# Altium PCB mchf_pro_ui.PcbDoc (part 1 of 5) (continued)
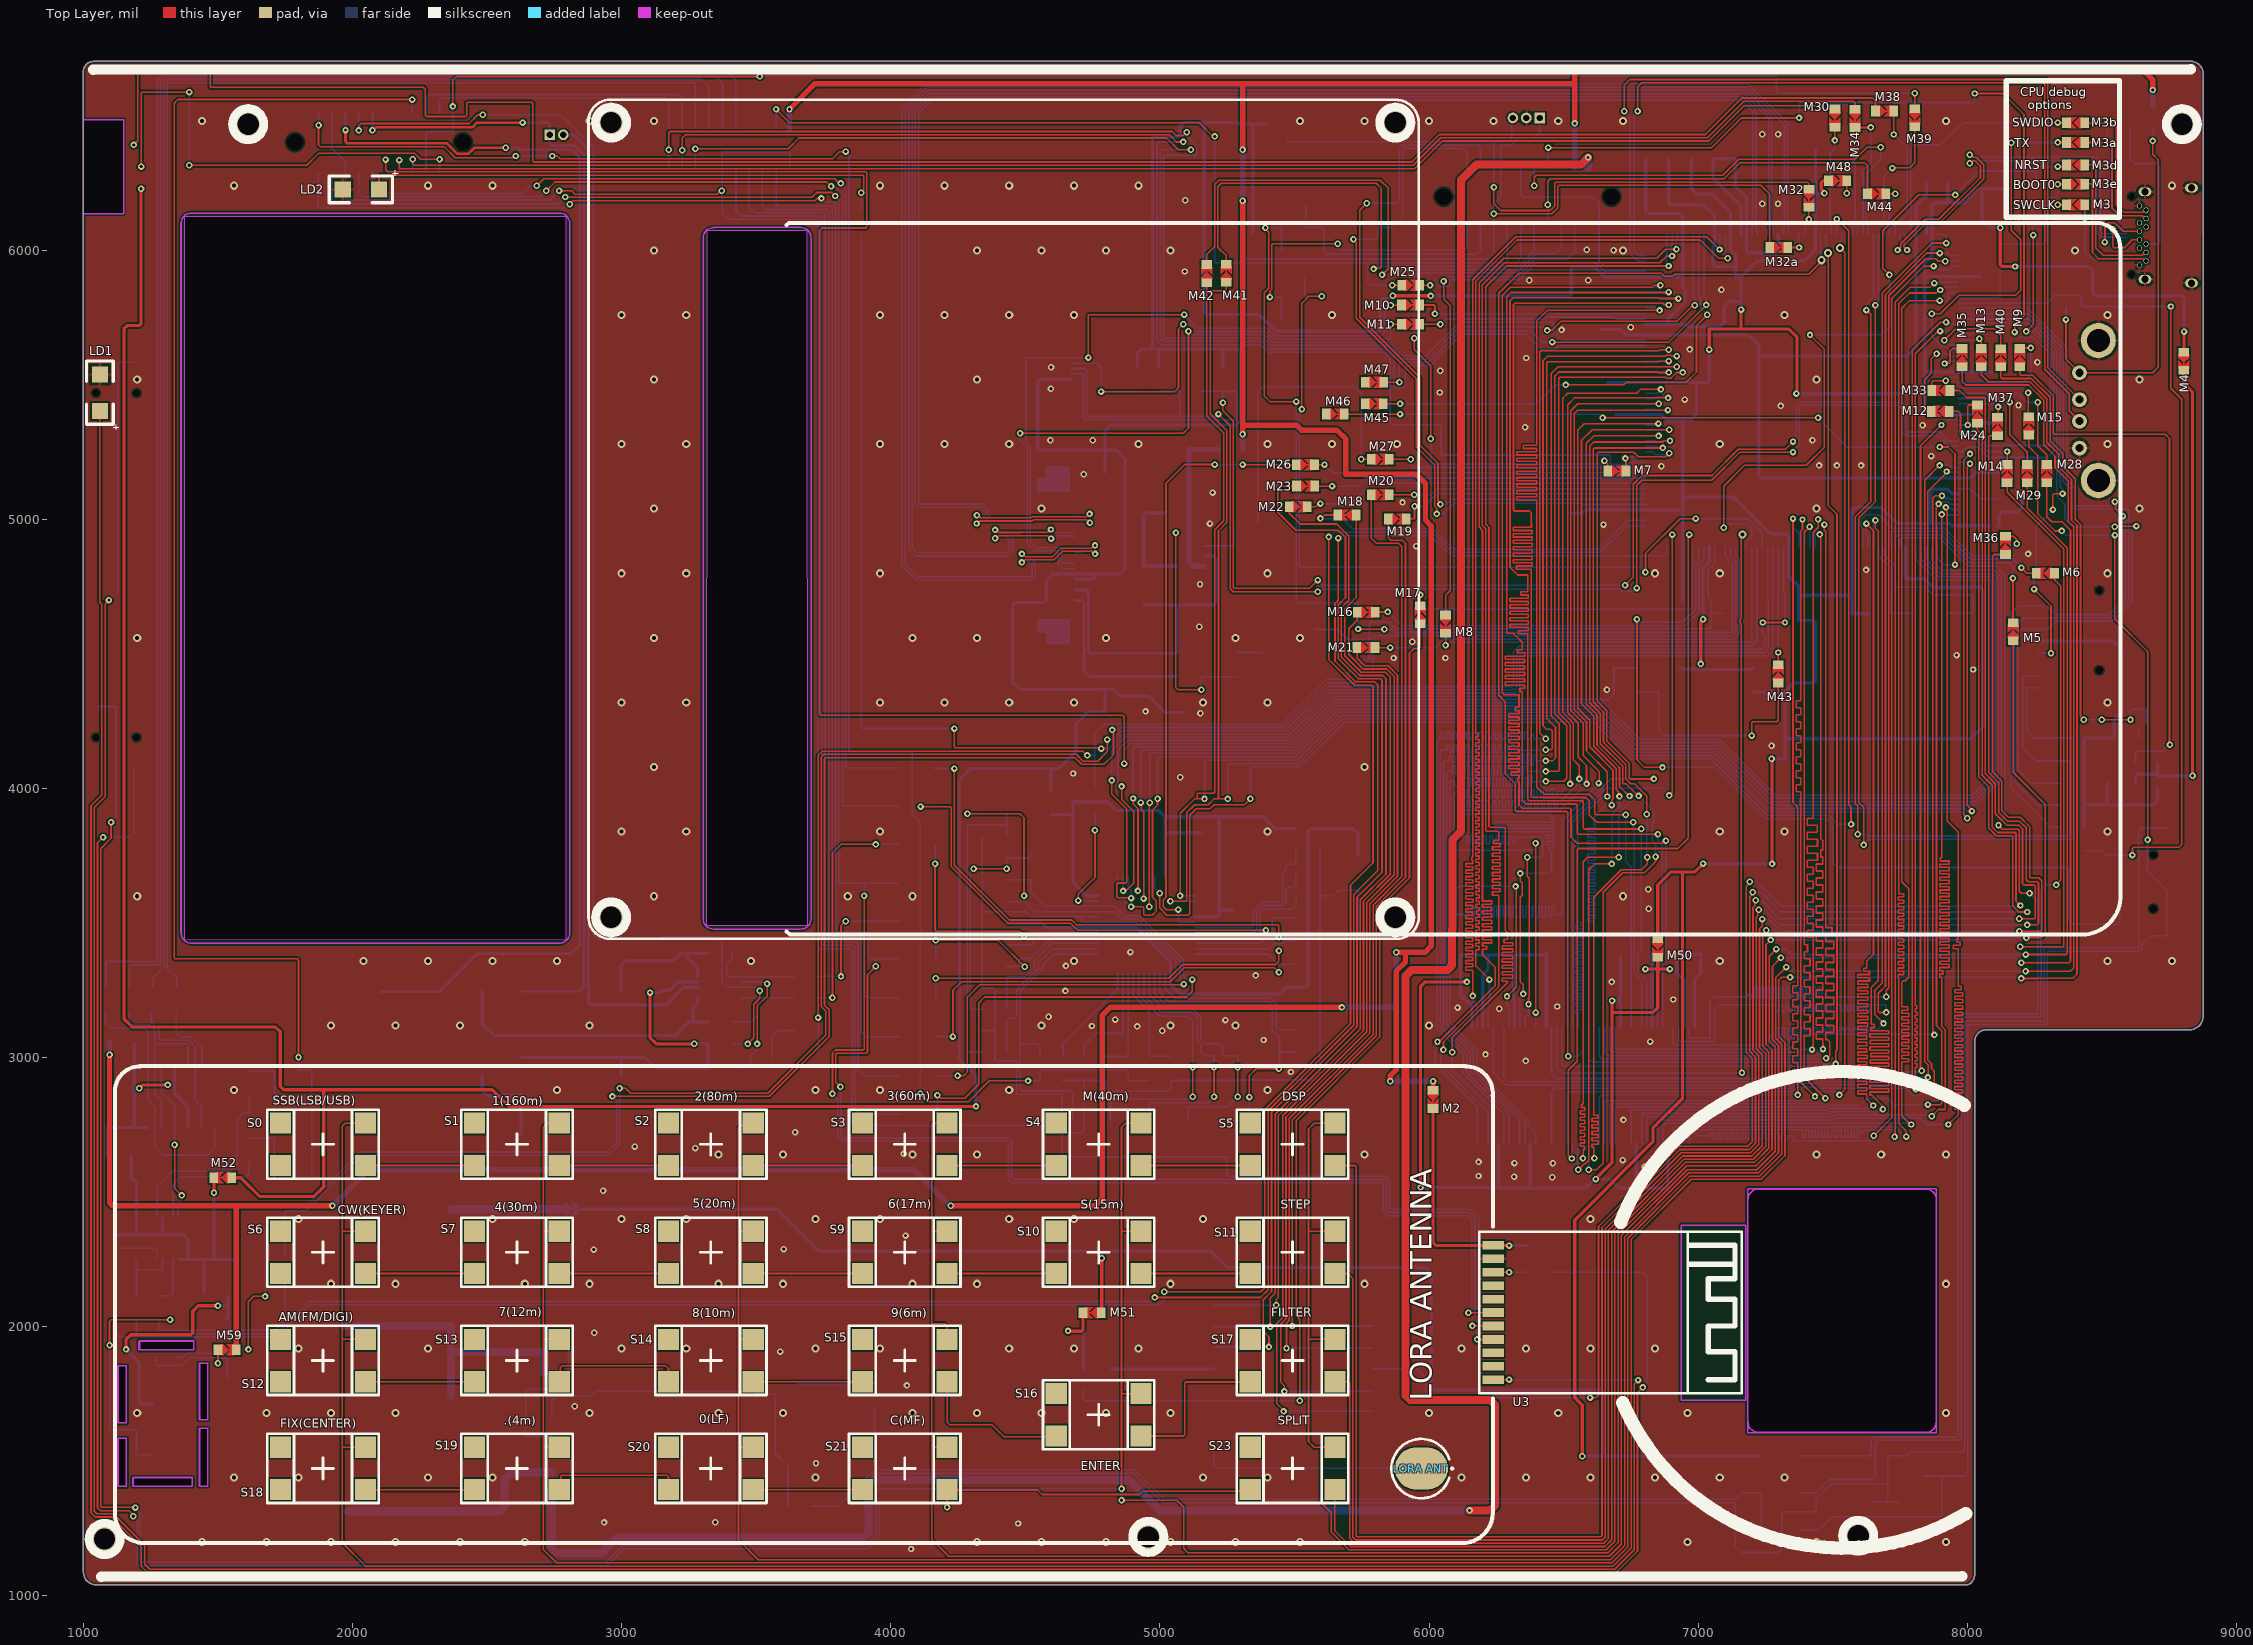
[diagram p0: Top Layer view]
## Components (designator, comment, footprint, x,y, rotation, side; value= is the part's Value field where it differs from the comment) (continued)
CC27a "1nF" 0805 4341.03,3180.69 r0 bottom
CC28 "1nF" 0805 4340.23,3339.22 r0 bottom
CC29 "1nF" 0805 4341.03,3420.57 r0 bottom
CC30 "100nF" 0805 4341.03,3499.42 r0 bottom
CC33 "1nF" 0805 4431.99,3579.56 r180 bottom
CC34 "1nF" 0805 4431.89,3661.11 r180 bottom
CC36 "100nF" 0805 4677.16,3904.63 r90 bottom
CC46 "100nF" 0805 5019.37,3835.5 r180 bottom
Cp7 "100nF" 0805 7769.65,4779.42 r180 bottom (schematic designator CP7)
Cp17 "100nF" 0805 7633,4650.76 r270 bottom (schematic designator CP17)
Cp29 "100nF" 0805 7373.92,4624.95 r270 bottom (schematic designator CP29)
CP43 "100nF" 0805 7095.05,4742.5 r270 bottom value=10nF
CP43E "1uF" 1206_Elec_Cap 5573.91,4592.05 r270 bottom value=10uF
Cp44 "100nF" 0805 6937.23,4448.69 r270 bottom (schematic designator CP44)
CP44E "1uF" 1206_Elec_Cap 7082.07,4443.48 r270 bottom
Cp49 "100nF" 0805 6942.83,4697.09 r180 bottom (schematic designator CP49)
Cp56 "100nF" 0805 6529.52,5022.78 r180 bottom (schematic designator CP56)
Cp74 "100nF" 0805 6691.63,5390.33 r270 bottom (schematic designator CP74)
Cp80 "100nF" 0805 6662.4,5508.73 r90 bottom (schematic designator CP80)
CP89 "2.2uF" 0805 6544.61,5705.51 r0 bottom value=100nF
Cp100 "100nF" 0805 6529.52,5885.07 r180 bottom (schematic designator CP100)
Cp108 "100nF" 0805 6804.86,6337.33 r90 bottom (schematic designator CP108)
Cp114 "100nF" 0805 6890.3,6337.33 r90 bottom (schematic designator CP114)
Cp117 "100nF" 0805 6973.61,6337.33 r90 bottom (schematic designator CP117)
CP119 "100nF" 0805 7137.06,6339.04 r90 bottom
CP119E "2.2uF" 0805 7055.18,6338.18 r90 bottom value=100nF
Cp133 "100nF" 0805 7434.23,6377.45 r90 bottom (schematic designator CP133)
CP140 "2.2uF" 0805 7576.86,6377.45 r90 bottom value=1礔
CP152 "2.2uF" 0805 7848.17,6341.81 r270 bottom value=100nF
Cp155 "100nF" 0805 7927.41,6250.85 r90 bottom (schematic designator CP155)
Cp161 "100nF" 0805 8047.88,5901.38 r90 bottom (schematic designator CP161)
Cp179 "100nF" 0805 8091.76,5546.96 r90 bottom (schematic designator CP179)
Cp187 "100nF" 0805 8079.85,5361.44 r0 bottom (schematic designator CP187)
CP199 "2.2uF" 0805 8206.51,5173.8 r180 bottom value=10nF
Cp208 "100nF" 0805 8112.16,4976.95 r0 bottom (schematic designator CP208)
Cr1 "100nF" 0805 6116.08,3383.07 r90 bottom (schematic designator CR1)
Cr3 "100nF" 0805 6218.75,3381.64 r90 bottom (schematic designator CR3)
Cr9 "100nF" 0805 6318.3,3379.93 r90 bottom (schematic designator CR9)
Cr15 "100nF" 0805 6435.28,3380.78 r90 bottom (schematic designator CR15)
Cr29 "100nF" 0805 6710.87,3383.07 r90 bottom (schematic designator CR29)
Cr35 "100nF" 0805 6828.97,3383.07 r90 bottom (schematic designator CR35)
Cr41 "100nF" 0805 6921.3,3383.93 r90 bottom (schematic designator CR41)
Cr43 "100nF" 0805 7009.3,3382.49 r90 bottom (schematic designator CR43)
Cr49 "100nF" 0805 6890.83,2516.09 r270 bottom (schematic designator CR49)
Cr55 "100nF" 0805 6772.12,2516.09 r270 bottom (schematic designator CR55)
Cr75 "100nF" 0805 6376.23,2516.09 r270 bottom (schematic designator CR75)
Cr81 "100nF" 0805 6260.84,2516.09 r270 bottom (schematic designator CR81)
D1 "4.7V" 0805P 6853.33,4448.69 r270 bottom
D2 "4.7V" 0805P 5447.83,5909.18 r0 bottom
D3 "4.7V" 0805P 5541.64,5998.79 r180 bottom
D4 "BAV99" SOT-23 5307.09,6024.96 r0 bottom
D5 "BAV99" SOT-23 5436.02,6431.1 r90 bottom
D6 "PMEG6010CEH" SOD87 7229.85,1519.91 r0 bottom
D7 "PMEG6010CEH" SOD87 7705.19,1520.44 r180 bottom
D8 "SS34" DO214 1981.08,1561.65 r270 bottom locked
D9 "PMEG6010CEH" SOD87 7379.4,1244.85 r180 bottom
D10 "PMEG6010CEH" SOD87 7379.4,1382.65 r180 bottom
D11 "PMEG6010CEH" SOD87 4939.05,4826.97 r270 bottom
J1UI "1373866" 1373866 6366.04,6199.06 r180 bottom locked
J2UI "1373866" YuanQi4mm 3398.82,6376.97 r180 bottom locked
J3UI "1373866" 1373866 2098.03,6401.57 r0 bottom locked
J4 "219320-0001" USBC_24P 8610.86,6054.92 r270 bottom locked
J5 "USB_OUT" USB_OUT_A 8897.64,5144.09 r180 bottom locked
J6 "PJS008-2003" PJS008-2003-1 8875.98,4578.74 r0 bottom locked
J7 "LCD-20pin FPC" MOLX-52746-2071 4647.68,4866.14 r90 bottom locked
J8 "FH19C-6S-05SH" MOLX-501461-0891 4639.76,5551.18 r90 bottom locked
L1 "47uH" BIG_IND 2365.9,1526.21 r90 bottom locked
LD1 "LTST-C150GKT" 1206_Elec_Cap 1061.25,5402.69 r90 top locked
LD2 "LTST-C150GKT" 1206_Elec_Cap 2099.28,6226.6 r180 top locked
"LORA ANT" "TP" lora_ant_pad 5970.79,1473.43 r0 top locked
M0 "0" 0805 4594.41,3903.24 r90 bottom
M1 "0" 0805 5736.18,3364.88 r90 bottom
M2 "0" SB_0603 6014.76,2845.19 r90 top net-tie value=1K
M3 "0" SB_0603_NO 8402.36,6169.58 r0 top net-tie value=1K
M3a "0" SB_0603_NO 8402.36,6400.77 r0 top net-tie value=1K
M3b "0" SB_0603_NO 8402.36,6474.41 r0 top net-tie value=1K
M3d "0" SB_0603_NO 8402.36,6317.26 r0 top net-tie value=1K
M3e "0" SB_0603_NO 8402.36,6245.27 r180 top net-tie value=1K
M4 "0" SB_0603 8803.95,5587.6 r90 top net-tie value=1K
M5 "0" SB_0603 8170.21,4582.96 r270 top net-tie value=1K
M6 "0" SB_0603 8290.3,4800.2 r0 top net-tie value=1K
M7 "0" SB_0603 6697.83,5179.66 r180 top net-tie value=1K
M8 "0" SB_0603 6061.38,4611.12 r90 top net-tie value=1K
M9 "0" SB_0603 8195.06,5601.35 r270 top net-tie value=1K
M10 "0" SB_0603 5931.28,5796.78 r180 top net-tie value=1K
M11 "0" SB_0603 5931.28,5724.98 r180 top net-tie value=1K
M12 "0" SB_0603 7899.21,5401.57 r0 top net-tie value=1K
M13 "0" SB_0603 8051.83,5601.35 r270 top net-tie value=1K
M14 "0" SB_0603 8147.86,5170.37 r270 top net-tie value=1K
M15 "0" SB_0603 8227.84,5347.35 r270 top net-tie value=1K
M16 "0" SB_0603 5766.73,4655.51 r180 top net-tie value=1K
M17 "0" SB_0603 5967.52,4645.51 r270 top net-tie value=1K
M18 "0" SB_0603 5695.12,5016.73 r0 top net-tie value=1K
M19 "0" SB_0603 5881.6,5001.97 r180 top net-tie value=1K
M20 "0" SB_0603 5818.85,5091.87 r180 top net-tie value=1K
M21 "0" SB_0603 5765.43,4523.78 r180 top net-tie value=1K
M22 "0" SB_0603 5513.51,5047.24 r180 top net-tie value=1K
M23 "0" SB_0603 5541.01,5124.02 r180 top net-tie value=1K
M24 "0" SB_0603 8037.52,5391.57 r270 top net-tie value=1K
M25 "0" SB_0603 5932.31,5869.78 r180 top net-tie value=1K
M26 "0" SB_0603 5540.64,5203.66 r180 top net-tie value=1K
M27 "0" SB_0603 5818.85,5224.07 r180 top net-tie value=1K
M28 "0" SB_0603 8294.86,5170.37 r270 top net-tie value=1K
M29 "0" SB_0603 8222.85,5170.37 r270 top net-tie value=1K
M30 "0" SB_0603 7507.81,6491.5 r90 top net-tie value=1K
M32 "0" SB_0603 7411.42,6193.2 r90 top net-tie value=1K
M32a "0" SB_0603 7299.16,6010.36 r180 top net-tie value=1K
M33 "0" SB_0603 7901.83,5479.05 r0 top net-tie value=1K
M34 "0" SB_0603 7582.68,6490.16 r90 top net-tie value=1K
M35 "0" SB_0603 7980.54,5601.35 r270 top net-tie value=1K
M36 "0" SB_0603 8141.61,4903.54 r270 top net-tie value=1K
M37 "0" SB_0603 8112.16,5345.34 r270 top net-tie value=1K
M38 "0" SB_0603 7692.58,6517.36 r180 top net-tie value=1K
M39 "0" SB_0603 7804.93,6492.25 r90 top net-tie value=1K
M40 "0" SB_0603 8123.86,5600.74 r270 top net-tie value=1K
M41 "0" SB_0603 5246.06,5914.37 r270 top net-tie value=1K
M42 "0" SB_0603 5173.89,5913.39 r270 top net-tie value=1K
M43 "0" SB_0603 7297.21,4426.15 r270 top net-tie value=1K
M44 "0" SB_0603 7662.9,6210.41 r180 top net-tie value=1K
M45 "0" SB_0603 5796.26,5429.7 r180 top net-tie value=1K
M46 "0" SB_0603 5651.29,5391.55 r180 top net-tie value=1K
M47 "0" SB_0603 5797.24,5509.84 r180 top net-tie value=1K
M48 "0" SB_0603 7517.81,6258.47 r180 top net-tie value=1K
M49 "0" SB_0603 2812.01,2436.93 r180 bottom net-tie value=1K
M50 "0" SB_0603 6849.39,3407.61 r90 top net-tie value=1K
M51 "0" SB_0603 4748.03,2052.17 r0 top net-tie value=1K
M52 "0" SB_0603 1518.17,2554.01 r0 top net-tie value=1K
M53 "0" 0805 1187.9,3059.57 r180 bottom
M54 "DNI" 0805 1086.86,2633.78 r0 bottom
M55 "0" 0805 1083.99,3263.53 r270 bottom
M56 "0" 0805 1169.34,3263.53 r270 bottom
M57 "0" 0805 1254.69,3263.53 r270 bottom
M58 "0" 0805 1348.03,3263.53 r270 bottom
M59 "0" SB_0603 1533.73,1915.07 r180 top net-tie value=1K
M60 "0" 0805 1673.45,2450.66 r270 bottom
P0 "Speaker" MHDR1X2 2733.13,6429.01 r0 bottom
P1 "MHDR1X3" MHDR1X3 6411.44,6491.78 r180 bottom
Q1 "IRLML6244TRPBF" SOT-23 3519.68,2962.15 r270 bottom
Q2 "IRLML6244TRPBF" SOT-23-Pro 3650.93,1789.96 r270 bottom
R1 "1k" 0805 4757.86,3997.75 r270 bottom
R2 "1k" 0805 4554.08,2914.41 r90 bottom
R3 "0" 0805 4340.71,3905.71 r0 bottom
R4 "0" 0805 4519.37,3660.89 r90 bottom
R5 "DNI" 0805 4431.03,3821.48 r180 bottom
R6 "DNI" 0805 4431.03,3741.81 r180 bottom
R7 "1k" 0805 6773.1,4448.69 r270 bottom
R8 "22K" 0805 3638.91,3101.13 r0 bottom
R9 "100k" 0805 3319.58,2962.38 r0 bottom
R10 "100k" 0805 3319.58,3051.4 r0 bottom
R11 "22K" 0805 3638.91,3301.4 r0 bottom
R12 "22K" 0805 3638.91,3222.66 r0 bottom
R13 "22K" 0805 3319.58,3388.69 r0 bottom
R14 "22K" 0805 3319.58,3133.44 r0 bottom
R15 "2.2/1206" 1206 2626.75,2864.88 r90 bottom
R16 "2.2/1206" 1206 2626.75,2580.89 r90 bottom
R17 "1k" 0805 2627.19,3247.35 r270 bottom
R18 "1k" 0805 2104.11,3152.69 r90 bottom
R19 "330" 0805 6362.1,2203.31 r0 bottom
R20 "1k" 0805 5450.92,5826.41 r0 bottom
R21 "1k" 0805 5542.63,6084.42 r180 bottom
R22 "5.1k" 0805 8520.92,6539.42 r270 bottom
R23 "5.1k" 0805 8604.93,6448.46 r90 bottom
R24 "10k" 0805 8433.56,3856.08 r180 bottom
R25 "10k" 0805 8433.56,4187.77 r180 bottom
R26 "10k" 0805 8434.85,4102.14 r180 bottom
R27 "10k" 0805 8545.4,4188.21 r0 bottom
R28 "10k" 0805 8434.89,4020.21 r180 bottom
R29 "10k" 0805 8433.56,3938.68 r180 bottom
R30 "1k" 0805 3889.54,6056.1 r90 bottom
R31 "100" 0805 5792.19,4441.71 r180 bottom
R32 "10k" 0805 8157.55,6228.39 r0 bottom
R33 "10k" 0805 8203.02,5076.78 r180 bottom
R34 "10k" 0805 8336.03,6112.97 r180 bottom
R35 "1k" 0805 2803.26,1985.51 r180 bottom
R36 "1.6k" 0805 2711.55,1907.05 r0 bottom
R37 "1K" 0805 3939.29,1699 r90 bottom
R38 "4.7K" 0805 3856.99,1789.96 r270 bottom
R39 "4.7K" 0805 3618.33,1334.95 r270 bottom
R40 "5.6k" 0805 3705.78,1243.99 r90 bottom
R41 "1k" 0805 7747.73,1348.65 r0 bottom
R42 "100" 0805 5364.71,4982.06 r180 bottom
R43 "4.7k" 0805 5364.71,4901.09 r180 bottom
R44 "4.7k" 0805 5289.73,4506.57 r270 bottom
R45 "2.2k" 0805 5154.42,4416.12 r180 bottom
R46 "10" 1206 4939.05,4552.2 r270 bottom
R47 "4.7K" 0805 5233.92,5566.25 r270 bottom
R48 "4.7K" 0805 4995.17,5566.25 r270 bottom
R49 "4.7K" 0805 4914.59,5566.25 r270 bottom
R50 "100" 0805 1278.02,2116.6 r270 bottom
R51 "100" 0805 1197.55,2117.46 r270 bottom
R52 "100" 0805 1113.86,2115.46 r270 bottom
R53 "4.7K" 0805 1197.33,2252.37 r90 bottom
R54 "4.7K" 0805 1113.64,2251.31 r90 bottom
R55 "100k" 0805 1616.9,2612.33 r90 bottom
R56 "4.7K" 0805 1708.36,2625.22 r0 bottom
R57 "100K" 0805 1614.93,2859.94 r90 bottom
R58 "4.7K" 0805 1708.43,2866.14 r0 bottom
R59 "100" 0805 1748.25,2267.04 r270 bottom
RFC1 "47uH" 0805 5503.27,3850.11 r0 bottom
RFC2 "47uH" 0805 8689.44,6539.42 r270 bottom
RFC3 "47uH" 0805 7202.31,4357.73 r90 bottom value=100uH
RFC4 "47uH" BIG_IND 2365.9,2220.39 r90 bottom locked
RFC5 "22uH" 0805 5307.94,5259.62 r180 bottom
RFC6 "22uH" 0805 5108.57,5024.15 r180 bottom
RFC7 "47uH" 0805 1538.64,2126.31 r180 bottom
S0 "SSB(LSB/USB)" BUTTON_SMD2 1693.31,2560 r0 top locked
S1 "1(160m)" BUTTON_SMD2 2413.98,2560 r0 top locked
S2 "2(80m)" BUTTON_SMD2 3134.45,2560 r0 top locked
S3 "3(60m)" BUTTON_SMD2 3854.92,2560 r0 top locked
S4 "M(40m)" BUTTON_SMD2 4575.39,2560 r0 top locked
S5 "DSP" BUTTON_SMD2 5295.87,2560 r0 top locked
S6 "CW(KEYER)" BUTTON_SMD2 1693.31,2158.66 r0 top locked
S7 "4(30m)" BUTTON_SMD2 2413.98,2158.66 r0 top locked
S8 "5(20m)" BUTTON_SMD2 3134.45,2158.66 r0 top locked
S9 "6(17m)" BUTTON_SMD2 3854.92,2158.66 r0 top locked
S10 "S(15m)" BUTTON_SMD2 4575.39,2158.66 r0 top locked
S11 "STEP" BUTTON_SMD2 5295.87,2158.66 r0 top locked
S12 "AM(FM/DIGI)" BUTTON_SMD2 1693.31,1756.69 r0 top locked
S13 "7(12m)" BUTTON_SMD2 2413.98,1756.69 r0 top locked
S14 "8(10m)" BUTTON_SMD2 3134.45,1756.69 r0 top locked
S15 "9(6m)" BUTTON_SMD2 3854.92,1756.69 r0 top locked
S16 "ENTER" BUTTON_SMD2 4575.39,1555.12 r0 top locked
S17 "FILTER" BUTTON_SMD2 5295.87,1756.69 r0 top locked
S18 "FIX(CENTER)" BUTTON_SMD2 1693.31,1355.71 r0 top locked
S19 ".(4m)" BUTTON_SMD2 2413.98,1355.71 r0 top locked
S20 "0(LF)" BUTTON_SMD2 3134.45,1355.71 r0 top locked
S21 "C(MF)" BUTTON_SMD2 3854.92,1355.71 r0 top locked
S22 "REC" BUTTON_SMD3 1122.05,4190.16 r180 bottom locked
S23 "SPLIT" BUTTON_SMD2 5295.87,1355.71 r0 top locked
S24 "BT PAIR" BUTTON_SMD3 1122.24,5469.69 r180 bottom locked
SW1 "FAN(manual/auto)" SW3 1199.57,6311.02 r180 bottom locked
TS1 "TLZWLA" TLZWLA 8741.14,3653.54 r0 bottom locked
U1 "CS4245" QUAD48 5131.97,3602.18 r180 bottom
U2 "LM4853MM" SLAB-MSOP-10_N#1 3362.2,3261.81 r180 top
U3 "KCX_BT" KCX_BT 6236.85,2053.07 r270 top locked
U4 "AP22811A" SOT25-5 8571.88,4057.57 r0 bottom
U5 "STM32H747BIT6" LQFP208-28X28X1.4 7887.76,4898.21 r90 bottom locked
U6 "LM2596S" TO-263-5 2991.14,1526.21 r180 bottom
U7 "RT9293B" SOT25-6 5112.45,4863.91 r0 bottom
U8 "MT48LC4M32B2P-6A" MICT-TG-86_N 6573.08,2896.07 r270 bottom
U9 "AP22811A" SOT25-5 4768.7,1805.12 r180 bottom
U10 "RFM98W" RFM96 5792.32,2079.72 r180 bottom locked
U11 "Si5351A-A-GT" SLAB-MSOP-10_N#2 1313.41,2331.92 r90 bottom
U12 "74AC74DR" SO-14 1188.72,2960.46 r270 bottom
U13 "FOX924B-25.000" 2SMX-3SMXB 1305.86,1619.86 r270 bottom
U14 "NCP51460" SOT-23 1307.82,1846.2 r0 bottom
Y1 "ABS25-32.768KHZ-6-1-T" DSO-N4 7868.08,4542.78 r270 bottom locked

## Footprints (in the part's own frame and the unit in brackets; to place one, negate y for a bottom-side part, rotate by r counter-clockwise, add the part's x,y. Pads: shape width x height; smd on the part's side, far side on the other; paste and mask are expansions set on the pad)
2SMX-3SMXB [mm] "Quartz Crystal, SM; Body 6.0 x 3.5 mm (LxW)"
  rect 2.2x1.4 smd: 1(-2.4,-1.25) 2(2.4,-1.25) 3(2.4,1.25) 4(-2.4,1.25)
  silkscreen extent -3,-2.66 3,1.75
0805 [mil]
  rect 55x45 smd: 1(0.86,0.22) 2(90.86,0.22)
  silkscreen extent -37,-31 128,31
0805P [mil]
  rect 55x45 smd: 1(0.86,0.22) 2(90.86,0.22)
  silkscreen extent -37,-31 136,31
1206 [mil]
  rect 60x60 smd: 1(0.86,0.22) 2(135.86,0.22)
  silkscreen extent -49,-50 186,50
1206_Elec_Cap [mil]
  rect 60x60 smd: 1(0.86,0.22) 2(135.86,0.22)
  silkscreen extent -70,-70 186,50
1373866 [mm]
  rect 0.8x1.1 smd: A1(-5.715,2.75) A2(-4.445,2.75) A3(-3.175,2.75) A4(-1.905,2.75) A5(-0.635,2.75) A6(0.635,2.75) A7(1.905,2.75) A8(3.175,2.75) A9(4.445,2.75) A10(5.715,2.75) A11(-5.715,-2.75) A12(-4.445,-2.75) A13(-3.175,-2.75) A14(-1.905,-2.75) A15(-0.635,-2.75) A16(0.635,-2.75) A17(1.905,-2.75) A18(3.175,-2.75) A19(4.445,-2.75) A20(5.715,-2.75)
  round 0.8 hole 1.6 unplated: MH1(-7.925,0) MH2(7.925,0)
  rect 1.2x2.75 smd: MP1(-8.225,2.425) MP2(8.225,2.425) MP3(-8.225,-2.425) MP4(8.225,-2.425)
  silkscreen extent -7.2,-2.1 7.2,4.1
BIG_IND [mm] "power inductor large"
  rect 3x6 smd: 1(-5.5,0.006) 2(5.5,0)
  silkscreen extent -6.25,-6.25 6.25,6.25
BUTTON_SMD2 [mm]
  rect 2x2 smd: 1(1,5) 2(1,1) 3(9,5) 4(9,1)
  silkscreen extent -0.25,-0.25 10.26,6.27
BUTTON_SMD3 [mm]
  rect 2x2 smd: 1(1.651,2.921) 2(-1.651,2.921) 3(1.651,-2.921) 4(-1.651,-2.921)
  round 0 hole 0.65 unplated mask+0.05: NPTH1(-1.905,0) NPTH1(1.905,0)
  silkscreen extent -3.05,-4.32 2.92,4.32
CAP_ALUM_Pro [mm]
  rect 3x1 smd: 1(-3,0) 2(3,0)
  silkscreen extent -4.32,-3.3 3.33,3.3
DO214 [mm]
  rect 1.96x3.39 smd: 1(0.012,0.006) 2(6.25,0)
  silkscreen extent -1.5,-2.25 7.85,2.25
DSO-N4 [mm] "Crystal, SM; 4 Leads; Body 8 x 3.8 x 2.5 mm (LxWxH)"
  rect 1.3x1.9 smd: 1(-2.75,-1.6) 2(2.75,-1.6) 3(2.75,1.6) 4(-2.75,1.6)
  silkscreen extent -4,-1.9 4.87,1.9
KCX_BT [mil]
  rect 32x78.74 smd: 1(-250.08,1.34) 2(-200.08,1.34) 3(-150.08,1.34) 4(-100.08,1.34) 5(-50.08,1.34) 6(-0.08,1.34) 7(49.92,1.34) 8(99.92,1.34) 9(149.92,1.34) 10(199.92,1.34) 11(249.92,1.34)
  Top Layer keep-out lines w5: 325,699.83 325,939.71 -324.98,939.97 -325,700.09 325,699.83
  Bottom Layer keep-out lines w5: 325,699.83 325,939.71 -324.98,939.96 -325,700.09 325,699.83
  Keep-Out Layer region: -525,975
  silkscreen extent -300,-50 300,925
lora_ant_pad [mm]
  oval 5x4 smd: 1(0.022,0.006)
  silkscreen extent -2.8,-2.8 2.99,2.8
LQFP208-28X28X1.4 [mm]
  rect 1.2x0.3 smd: 1(0,0)
  oval 1.2x0.3 smd: 2(0,-0.5) 3(0,-1) 4(0,-1.5) 5(0,-2) 6(0,-2.5) 7(0,-3) 8(0,-3.5) 9(0,-4) 10(0,-4.5) 11(0,-5) 12(0,-5.5) 13(0,-6) 14(0,-6.5) 15(0,-7) 16(0,-7.5) 17(0,-8) 18(0,-8.5) 19(0,-9) 20(0,-9.5) 21(0,-10) 22(0,-10.5) 23(0,-11) 24(0,-11.5) 25(0,-12) 26(0,-12.5) 27(0,-13) 28(0,-13.5) 29(0,-14) 30(0,-14.5) 31(0,-15) 32(0,-15.5) 33(0,-16) 34(0,-16.5) 35(0,-17) 36(0,-17.5) 37(0,-18) 38(0,-18.5) 39(0,-19) 40(0,-19.5) 41(0,-20) 42(0,-20.5) 43(0,-21) 44(0,-21.5) 45(0,-22) 46(0,-22.5) 47(0,-23) 48(0,-23.5) 49(0,-24) 50(0,-24.5) 51(0,-25) 52(0,-25.5) 105(29.5,-25.5) 106(29.5,-25) 107(29.5,-24.5) 108(29.5,-24) 109(29.5,-23.5) 110(29.5,-23) 111(29.5,-22.5) 112(29.5,-22) 113(29.5,-21.5) 114(29.5,-21) 115(29.5,-20.5) 116(29.5,-20) 117(29.5,-19.5) 118(29.5,-19) 119(29.5,-18.5) 120(29.5,-18) 121(29.5,-17.5) 122(29.5,-17) 123(29.5,-16.5) 124(29.5,-16) 125(29.5,-15.5) 126(29.5,-15) 127(29.5,-14.5) 128(29.5,-14) 129(29.5,-13.5) 130(29.5,-13) 131(29.5,-12.5) 132(29.5,-12) 133(29.5,-11.5) 134(29.5,-11) 135(29.5,-10.5) 136(29.5,-10) 137(29.5,-9.5) 138(29.5,-9) 139(29.5,-8.5) 140(29.5,-8) 141(29.5,-7.5) 142(29.5,-7) 143(29.5,-6.5) 144(29.5,-6) 145(29.5,-5.5) 146(29.5,-5) 147(29.5,-4.5) 148(29.5,-4) 149(29.5,-3.5) 150(29.5,-3) 151(29.5,-2.5) 152(29.5,-2) 153(29.5,-1.5) 154(29.5,-1) 155(29.5,-0.5) 156(29.5,0)
  oval 0.3x1.2 smd: 53(2,-27.5) 54(2.5,-27.5) 55(3,-27.5) 56(3.5,-27.5) 57(4,-27.5) 58(4.5,-27.5) 59(5,-27.5) 60(5.5,-27.5) 61(6,-27.5) 62(6.5,-27.5) 63(7,-27.5) 64(7.5,-27.5) 65(8,-27.5) 66(8.5,-27.5) 67(9,-27.5) 68(9.5,-27.5) 69(10,-27.5) 70(10.5,-27.5) 71(11,-27.5) 72(11.5,-27.5) 73(12,-27.5) 74(12.5,-27.5) 75(13,-27.5) 76(13.5,-27.5) 77(14,-27.5) 78(14.5,-27.5) 79(15,-27.5) 80(15.5,-27.5) 81(16,-27.5) 82(16.5,-27.5) 83(17,-27.5) 84(17.5,-27.5) 85(18,-27.5) 86(18.5,-27.5) 87(19,-27.5) 88(19.5,-27.5) 89(20,-27.5) 90(20.5,-27.5) 91(21,-27.5) 92(21.5,-27.5) 93(22,-27.5) 94(22.5,-27.5) 95(23,-27.5) 96(23.5,-27.5) 97(24,-27.5) 98(24.5,-27.5) 99(25,-27.5) 100(25.5,-27.5) 101(26,-27.5) 102(26.5,-27.5) 103(27,-27.5) 104(27.5,-27.5) 157(27.5,2) 158(27,2) 159(26.5,2) 160(26,2) 161(25.5,2) 162(25,2) 163(24.5,2) 164(24,2) 165(23.5,2) 166(23,2) 167(22.5,2) 168(22,2) 169(21.5,2) 170(21,2) 171(20.5,2) 172(20,2) 173(19.5,2) 174(19,2) 175(18.5,2) 176(18,2) 177(17.5,2) 178(17,2) 179(16.5,2) 180(16,2) 181(15.5,2) 182(15,2) 183(14.5,2) 184(14,2) 185(13.5,2) 186(13,2) 187(12.5,2) 188(12,2) 189(11.5,2) 190(11,2) 191(10.5,2) 192(10,2) 193(9.5,2) 194(9,2) 195(8.5,2) 196(8,2) 197(7.5,2) 198(7,2) 199(6.5,2) 200(6,2) 201(5.5,2) 202(5,2) 203(4.5,2) 204(4,2) 205(3.5,2) 206(3,2) 207(2.5,2) 208(2,2)
  silkscreen extent -0.4,-27.5 29.5,2.1
MHDR1X2 [mm] "Connector; Header; 2 Position"
  rect 1x1 hole 0.6: 1(0,0)
  round 1 hole 0.6: 2(1.27,0)
  silkscreen extent -0.9,-0.9 2.17,0.9
MHDR1X3 [mm] "Connector; Header; 3 Position"
  rect 1x1 hole 0.6: 1(0,0)
  round 1 hole 0.6: 2(1.27,0) 3(2.54,0)
  silkscreen extent -0.9,-0.9 3.44,0.9
MICT-TG-86_N [mm] "SOP, 86-Leads, Body 22.22x10.16mm, Pitch 0.5mm, IPC Medium Density"
  oval 1.6x0.3 smd: 1(-5.5,10.5) 2(-5.5,10) 3(-5.5,9.5) 4(-5.5,9) 5(-5.5,8.5) 6(-5.5,8) 7(-5.5,7.5) 8(-5.5,7) 9(-5.5,6.5) 10(-5.5,6) 11(-5.5,5.5) 12(-5.5,5) 13(-5.5,4.5) 14(-5.5,4) 15(-5.5,3.5) 16(-5.5,3) 17(-5.5,2.5) 18(-5.5,2) 19(-5.5,1.5) 20(-5.5,1) 21(-5.5,0.5) 22(-5.5,0) 23(-5.5,-0.5) 24(-5.5,-1) 25(-5.5,-1.5) 26(-5.5,-2) 27(-5.5,-2.5) 28(-5.5,-3) 29(-5.5,-3.5) 30(-5.5,-4) 31(-5.5,-4.5) 32(-5.5,-5) 33(-5.5,-5.5) 34(-5.5,-6) 35(-5.5,-6.5) 36(-5.5,-7) 37(-5.5,-7.5) 38(-5.5,-8) 39(-5.5,-8.5) 40(-5.5,-9) 41(-5.5,-9.5) 42(-5.5,-10) 43(-5.5,-10.5) 44(5.5,-10.5) 45(5.5,-10) 46(5.5,-9.5) 47(5.5,-9) 48(5.5,-8.5) 49(5.5,-8) 50(5.5,-7.5) 51(5.5,-7) 52(5.5,-6.5) 53(5.5,-6) 54(5.5,-5.5) 55(5.5,-5) 56(5.5,-4.5) 57(5.5,-4) 58(5.5,-3.5) 59(5.5,-3) 60(5.5,-2.5) 61(5.5,-2) 62(5.5,-1.5) 63(5.5,-1) 64(5.5,-0.5) 65(5.5,0) 66(5.5,0.5) 67(5.5,1) 68(5.5,1.5) 69(5.5,2) 70(5.5,2.5) 71(5.5,3) 72(5.5,3.5) 73(5.5,4) 74(5.5,4.5) 75(5.5,5) 76(5.5,5.5) 77(5.5,6) 78(5.5,6.5) 79(5.5,7) 80(5.5,7.5) 81(5.5,8) 82(5.5,8.5) 83(5.5,9) 84(5.5,9.5) 85(5.5,10) 86(5.5,10.5)
  silkscreen extent -5.62,-11.18 4.32,11.32
MOLX-52746-2071 [mm] "FPC Connector, 20-Leads, Right Angle, Pitch 0.5 mm, Mated Height 2.0 mm, SMT"
  rect 0.3x1 smd: 1(-4.75,0.924) 2(-4.25,0.924) 3(-3.75,0.924) 4(-3.25,0.924) 5(-2.75,0.924) 6(-2.25,0.924) 7(-1.75,0.924) 8(-1.25,0.924) 9(-0.75,0.924) 10(-0.25,0.924) 11(0.25,0.924) 12(0.75,0.924) 13(1.25,0.924) 14(1.75,0.924) 15(2.25,0.924) 16(2.75,0.924) 17(3.25,0.924) 18(3.75,0.924) 19(4.25,0.924) 20(4.75,0.924)
  rect 1x1 smd: MP1(-7.134,-0.824) MP2(7.134,-0.824)
  Top Layer region: -8.4,0.424 -6,0.424 -6,-2.626 -6,-2.626 -7.3,-2.626 -7.3,-1.777 -7.3,-1.776 -8.4,-1.776
  Top Layer region: 6,0.424 8.4,0.424 8.4,-1.776 8.4,-1.777 7.3,-1.777 7.3,-2.626 6,-2.626 6,0.424
  silkscreen extent -8.05,-5.68 8.05,1.99
MOLX-501461-0891 [mm] "FPC Connector, 8-Leads, Right Angle, Pitch 0.5 mm, Mated Height 0.8 mm, SMT"
  rect 0.3x1.41 smd: 1(-1.75,0.778) 2(-1.25,0.778) 3(-0.75,0.778) 4(-0.25,0.778) 5(0.25,0.778) 6(0.75,0.778) 7(1.25,0.778) 8(1.75,0.778)
  rect 3.5x2 smd: MP1(-4.2,-0.699) MP2(4.2,-0.684)
  silkscreen extent -5.08,-3.56 5.08,1.4
PJS008-2003-1 [mm]
  rect 1.6x0.8 smd paste+0 mask+0.05: 1(-15.6,-2.525) 2(-15.6,-1.425) 3(-15.6,-0.325) 4(-15.6,0.775) 5(-15.6,1.875) 6(-15.6,2.975) 7(-15.6,4.075) 8(-15.6,5.175) 9(-15.6,6.325)
  rect 1.4x1.95 smd paste+0 mask+0.05: 10(-5.4,7.225)
  rect 3.5x1.5 smd paste+0 mask+0.05: 11(-2.45,7.45)
  rect 3.5x1.4 smd paste+0 mask+0.05: 12(-2.45,-7.5)
  rect 3.5x1.6 smd paste+0 mask+0.05: 13(-13.45,-7.4)
  rect 3.1x1.2 smd paste+0 mask+0.05: 14(-13.95,7.6)
  round 0 hole 0.65 unplated mask+0.05: NPTH1(-9.8,-4)
  round 0 hole 0.7 unplated mask+0.05: NPTH2(-9.8,3.55)
  silkscreen extent -15.32,-7.25 -0.28,7.25, body extent -15.04,-7.18 -0.84,7.42, height 2
QUAD48 [mm]
  rect 1.5x0.3 smd: 1(0.01,-0.002)
  oval 1.5x0.3 smd: 2(0.01,-0.502) 3(0.01,-1.002) 4(0.01,-1.502) 5(0.01,-2.002) 6(0.01,-2.502) 7(0.01,-3.002) 8(0.01,-3.502) 9(0.01,-4.002) 10(0.01,-4.502) 11(0.01,-5.002) 12(0.01,-5.502) 25(9.21,-5.502) 26(9.21,-5.002) 27(9.21,-4.502) 28(9.21,-4.002) 29(9.21,-3.502) 30(9.21,-3.002) 31(9.21,-2.502) 32(9.21,-2.002) 33(9.21,-1.502) 34(9.21,-1.002) 35(9.21,-0.502) 36(9.21,-0.002)
  oval 0.3x1.5 smd: 13(1.86,-7.352) 14(2.36,-7.352) 15(2.86,-7.352) 16(3.36,-7.352) 17(3.86,-7.352) 18(4.36,-7.352) 19(4.86,-7.352) 20(5.36,-7.352) 21(5.86,-7.352) 22(6.36,-7.352) 23(6.86,-7.352) 24(7.36,-7.352) 37(7.36,1.848) 38(6.86,1.848) 39(6.36,1.848) 40(5.86,1.848) 41(5.36,1.848) 42(4.86,1.848) 43(4.36,1.848) 44(3.86,1.848) 45(3.36,1.848) 46(2.86,1.848) 47(2.36,1.848) 48(1.86,1.848)
  silkscreen extent 0.01,-7.34 9.2,1.85
RFM96 [mm]
  rect 3x1 smd: 1(0,0) 2(0,-2) 3(0,-4) 4(0,-6) 5(0,-8) 6(0,-10) 7(0,-12) 8(0,-14) 9(15.037,-14) 10(15.037,-12) 11(15.037,-10) 12(15.037,-8) 13(15.037,-6) 14(15.037,-4) 15(15.037,-2) 16(15.037,0)
  silkscreen extent -0.76,-15.52 15.75,1.52
SB_0603 [mil] "Jumper"
  rect 32x40 smd: 1(33.75,0) 2(-33.75,0)
  Top Layer region: 23.75,20 13.75,20 -6.25,0 13.75,-20 23.75,-20
  Top Layer region: -26.25,0 -16.25,0 3.75,20 -26.25,20
  Top Layer region: -26.25,0 -16.25,0 3.75,-20 -26.25,-20
  Top Layer lines w6: -33.75,0 33.75,0
SB_0603_NO [mil] "Jumper"
  rect 32x40 smd: 1(33.75,0) 2(-33.75,0)
  Top Layer region: -26.25,0 -16.25,0 3.75,-20 -26.25,-20
  Top Layer region: -26.25,0 -16.25,0 3.75,20 -26.25,20
  Top Layer region: 23.75,20 13.75,20 -6.25,0 13.75,-20 23.75,-20
SLAB-MSOP-10_N#1 [mm] "SOP, 10-Leads, Body 3x3mm, Pitch 0.5mm, IPC Medium Density"
  oval 1.65x0.25 smd far side: 1(-2.025,-1) 2(-2.025,-0.5) 3(-2.025,0) 4(-2.025,0.5) 5(-2.025,1) 6(2.025,1) 7(2.025,0.5) 8(2.025,0) 9(2.025,-0.5) 10(2.025,-1)
SLAB-MSOP-10_N#2 [mm] "SOP, 10-Leads, Body 3x3mm, Pitch 0.5mm, IPC Medium Density"
  oval 1.65x0.25 smd: 1(-2.025,1) 2(-2.025,0.5) 3(-2.025,0) 4(-2.025,-0.5) 5(-2.025,-1) 6(2.025,-1) 8(2.025,0) 9(2.025,0.5) 10(2.025,1)
  oval 1.85x0.25 smd: 7(1.925,-0.5)
  silkscreen extent -2.15,-1.5 0.8,1.85
SO-14 [mil]
  oval 80x24 smd: 1(0,0) 2(0,-50) 3(0,-100) 4(0,-150) 5(0,-200) 6(0,-250) 7(0,-300) 8(220,-300) 9(220,-250) 10(220,-200) 11(220,-150) 12(220,-100) 13(220,-50) 14(220,0)
  silkscreen extent 59,-335 161,38
SOD87 [mil]
  rect 50x70 smd: 1(0.46,0.23) 2(145.46,0.23)
  silkscreen extent -45,-55 201,55
SOT25-5 [mm] "5 lead package"
  rect 1.05x0.6 smd: 1(-1.35,0.95) 2(-1.35,0) 3(-1.35,-0.95) 4(1.35,-0.95) 5(1.35,0.95)
  silkscreen extent -1.75,-1.75 1.25,1.87
SOT25-6 [mm] "6 lead package"
  rect 1.05x0.6 smd: 1(-1.35,0.95) 2(-1.35,0) 3(-1.35,-0.95) 4(1.35,-0.95) 5(1.35,0) 6(1.35,0.95)
  silkscreen extent -1.75,-1.75 1.25,1.87
SOT-23 [mm]
  rect 0.8x0.9 smd: 1(-0.98,-1) 2(0.98,-1) 3(0,1)
  silkscreen extent -1.95,-1.62 1.5,0.7, body extent -1.52,-0.7 1.52,0.7, height 1.11
SOT-23-Pro [mil]
  rect 36x36 smd: 1(0.39,0.34) 2(75.39,0.34)
  rect 36x50 smd: 3(38.39,80.34)
  silkscreen extent -75,-40 150,125
SW3 [mm] "Three poe switch"
  rect 2.5x1.2 smd: 1(-0.381,2.032) 2(-0.381,0) 3(-0.381,-2.032)
  Keep-Out Layer board cut-out: 5.08,4.445 1.25,4.445 1.25,-4.445 5.08,-4.445
  Keep-Out Layer lines w0.127: 5.08,-4.445 1.27,-4.445 1.27,4.445 5.08,4.445
  silkscreen extent -1.65,-4.7 4.7,4.7
TLZWLA [mm]
  rect 1.4x1.95 smd paste+0 mask+0.05: a(0,5.08) b(-4.445,2.54) c(-4.445,0) d(-4.445,-2.54) e(0,-5.08)
  round 0 hole 0.65 unplated mask+0.05: NPTH1(-1.27,-2.54)
  round 0 hole 0.7 unplated mask+0.05: NPTH2(-1.27,2.54)
  silkscreen extent -5.71,-6.35 3.26,6.35
TO-263-5 [mil]
  rect 118.11x42 smd: 1(251,-133.46) 2(251,-66.46) 3(251,0) 4(251,67.54) 5(251,134.54)
  rect 354.33x401.57 smd: 3(-137.8,0)
  silkscreen extent -335,-217 315,217
USB_OUT_A [mil]
  round 55 hole 30: 1(480.7,120.96) 2(480.7,220.96) 3(480.7,300.96) 4(480.7,400.96)
  round 130 hole 85: 5(410.7,520.96) 6(410.7,0.96)
  silkscreen extent 1,1 561,521
USBC_24P [mm]
  rect 0.3x0.85 smd: A1(-2.75,0.5) A2(-2.25,0.5) A3(-1.75,0.5) A4(-1.25,0.5) A5(-0.75,0.5) A6(-0.25,0.5) A7(0.25,0.5) A8(0.75,0.5) A9(1.25,0.5) A10(1.75,0.5) A11(2.25,0.5) A12(2.75,0.5)
  round 0.5 hole 0.4: B1(2.8,-0.733) B2(2.4,-1.355) B3(1.6,-1.355) B4(1.2,-0.733) B5(0.8,-1.355) B6(0.4,-0.733) B7(-0.4,-0.733) B8(-0.8,-1.355) B9(-1.2,-0.733) B10(-1.6,-1.355) B11(-2.4,-1.355) B12(-2.8,-0.733)
  round 0.3 hole 0.65 unplated: MH1(-3.669,-0.001) MH2(3.679,0.001)
  oval 0.838x1.2 hole 0.7: MH3(-4.13,-1.25) MH4(4.13,-1.25) MH5(4.49,-5.64) MH6(-4.49,-5.64)
  silkscreen extent -5.15,-6.54 5.13,1.91
YuanQi4mm [mm] "Board To Board 1.27mm pitch 20pin 4mm stack"
  rect 0.74x2 smd: A1(-5.715,1.905) A2(-4.445,1.905) A3(-3.175,1.905) A4(-1.905,1.905) A5(-0.635,1.905) A6(0.635,1.905) A7(1.905,1.905) A8(3.175,1.905) A9(4.445,1.905) A10(5.715,1.905) A11(-5.715,-1.905) A12(-4.445,-1.905) A13(-3.175,-1.905) A14(-1.905,-1.905) A15(-0.635,-1.905) A16(0.635,-1.905) A17(1.905,-1.905) A18(3.175,-1.905) A19(4.445,-1.905) A20(5.715,-1.905)
  silkscreen extent -7.62,-3.18 7.62,3.18

## Part data
C1 C2 C3 C4 C5 C6 C7 C8 C9 C10 C11 C16 C17 C19 C20 C42 C55 CC14E CC17E CC18E CC19E CC20E CC25 CP44E: library part CAP-POL, "Electrolitic capacitor"
  C1 C55 CC17E CC18E: Order="FN 233-3009", Price=0.204, QT Order=QCC-00166
  C2: Notes="Tantalum capacitor", Order="FN 145-7406", Price=0.235, QT Order=QCC-00165
  C3 C4 C5 C6 C7 C8 C9 C10 C11: Order="FN 145-7406", Price=0.235, QT Order=QCC-00165
  C16: Notes="Aluminium capacitor", Price=0.34
  C17 C20: Order="FN 225-4321", Price=0.34, QT Order=QCC-00320
  C19: Notes="Aluminium capacitor", Order="FN 225-4321", Price=0.34, QT Order=QCC-00320
  C42: Order="FN 145-7414", Price=0.30, QT Order=QCC-00166
  CC14E: Notes="Tantalum capacitor", Order="FN 233-3009", Price=0.204, QT Order=QCC-00166
  CC19E CC25: Notes="Tantalum Capacitor", Price=0.204
  CC20E: Price=0.204
  CP44E: Order="FN 145-7406", Price=0.235, QT Order=QCC-00172
C12 C13 C14 C15 C18 C21 C22 C23 C24 C25 C26 C28 C29 C30 C31 C32 C33 C40 C41 C45 C46 C51 C53 C54 C56 C57 C58 C59 C60 C61 C62 CC5 CC7 CC8 CC9 CC10 CC11 CC12 CC14 CC15 CC16 CC17 CC18 CC19 CC20 CC21 CC22 CC23 CC24 CC26 CC26a CC27 CC27a CC28 CC29 CC30 CC33 CC34 CC36 CC46 Cp7 Cp17 Cp29 Cp44 Cp49 Cp56 Cp74 Cp80 Cp100 Cp108 Cp114 Cp117 CP119 CP119E Cp133 Cp155 Cp161 Cp179 Cp187 Cp208 Cr1 Cr3 Cr9 Cr15 Cr29 Cr35 Cr41 Cr43 Cr49 Cr55 Cr75 Cr81: library part CAP, "Capacitor"
  C12 C13 C46 C51 CC15 CP119 CP119E: Published=8-Jun-2000, Publisher="Altium Limited", Revision="July-2002: Re-released for DXP Platform."
  C14 C15 C18 C21 C22 C23 C24 C25 C53 C54 C56 C62 CC5 CC14 CC17 CC18 CC19 CC20 CC30 CC36 CC46: Order="FN 252-2090", Price=0.068, QT Order=QCC-00154
  C26 C61: Order="FN 174-0673", Price=0.068, QT Order=QCC-00154
  C28 C29 C41 C45 Cp7 Cp17 Cp29 Cp44 Cp49 Cp56 Cp74 Cp80 Cp100 Cp108 Cp114 Cp117 Cp133 Cp155 Cp161 Cp179 Cp187 Cp208 Cr1 Cr3 Cr9 Cr15 Cr29 Cr35 Cr41 Cr43 Cr49 Cr55 Cr75 Cr81: Order="FN 282-1264", Price=0.089, QT Order=QCC-00157
  C30: Order="FN 190-7054", Price=0.038, QT Order=QCC-00259, QT Price=0.05
  C31: Order="FN 190-7054", Price=0.038, QT Order=QCC-00259
  C32: Order="FN 756-8401", Price=0.341, QT Order=QCC-00266, QT Price=0.045
  C33: Order="FN 756-8401", Price=0.341, QT Order=QCC-00266
  C40: Price=0.068, QT Order=QCC-00154
  C58 C59: Order="FN 233-2701", Price=0.078, QT Order=QCC-00125
  CC16: Notes="Ceramic Capacitor, low ESR", Published=8-Jun-2000, Publisher="Altium Limited", Revision="July-2002: Re-released for DXP Platform."
C27 C52 CP140: library part "CAP SMD 0603  X5R 1礔 25V 10%", "0603  X5R 1礔", Rated voltage=25V, Temperature Max=+125癈, Temperature Min=-55癈, Tolerance=10%, Order code Farnell=1288202RL, Technology=X5R
C34 C36 C38 C39 C48 C49 C50: library part CAP, "Capacitor", Voltage=100V
  C34 C36 C38 C39: Price=0.068, QT Order=QCC-00154
  C48 C49 C50: Notes=COG/NPO
C35: library part CAP-POL, "Electrolitic capacitor", Voltage=25V, Price=0.235, QT Order=QCC-00202
C37: library part CAP-POL, "Electrolitic capacitor", Voltage=16V, Price=0.235, QT Order=QCC-00202
C43: library part CAP, "Ceramic Capacitor", Order="FN 175-9477", Price=0.114, QT Order=QCC-00447
C44: library part CAP-POL, "Electrolitic capacitor", Voltage=50V, Order="FN 145-7406", Price=0.235, QT Order=QCC-00172
C47 CP43E: library part "Cap Pol1", Published=8-Jun-2000, Publisher="Altium Limited", Revision="July-2002: Re-released for DXP Platform."
CP43 CP199: library part Cap, "Capacitor", Published=8-Jun-2000, Publisher="Altium Limited", Revision="July-2002: Re-released for DXP Platform."
CP89 CP152: library part cap, "Capacitor", ECCN_US/EU=NA, Fitted=NO, Notes="Ceramic capacitor, low ESR", Ordered by=Subcon, Published=8-Jun-2000, Publisher="Altium Limited", Revision="July-2002: Re-released for DXP Platform."
D1 D2 D3: library part "D Zener", "Zener Diode", LatestRevisionDate=17-Jul-2002, LatestRevisionNote="Re-released for DXP Platform.", PackageDescription="Diode, Thru-Hole; 2 Leads; 0.7 in Pin Spacing", PackageReference=DIODE-0.7, Published=8-Jun-2000, Publisher="Altium Limited"
D4 D5: "Small Signal Diode, Dual Series", Order="FN 162-1837", Price=0.0618
  D4: QT Order=QCD-00039
D6 D7 D9 D10 D11: "DIODE, SCHOTTKY, 1A, 60V, SOD-123F", QT Order=QCD-00034
  D6 D7 D9 D10: Price=0.085
  D11: Order="FN 151-0694", Price=0.262, QT Price=0.08
D8: library part PMEG6010CEH, "DIODE, SCHOTTKY, 1A, 60V, SOD-123F", Price=0.085, QT Order=QCD-00034
J1UI J3UI: "SMD male connector, nominal current: 2.2 A, Test voltage: 840 VAC, number of positions: 20, pitch: 1.27 mm, color: black, contact surface: Gold, type of contact: Male connector, mounting: SMD soldering", Manufacturer_Name="Phoenix Contact", Mouser Part Number=651-1373866, Datasheet Link=http://www.phoenixcontact.com/gb/produkte/1373866, Geometry.Height=6.75mm, Manufacturer_Part_Number=1373866, Mouser Price/Stock=https://www.mouser.co.uk/ProductDetail/Phoenix-Contact/1373866?qs=2SLPxufLcgAs0enIXKjUUw%3D%3D
J2UI: library part YQ_20p, "SMD male connector, nominal current: 2.2 A, Test voltage: 840 VAC, number of positions: 20, pitch: 1.27 mm, color: black, contact surface: Gold, type of contact: Male connector, mounting: SMD soldering", Manufacturer_Name="Phoenix Contact", Mouser Part Number=651-1373866, Datasheet Link=http://www.phoenixcontact.com/gb/produkte/1373866, Geometry.Height=6.75mm, Manufacturer_Part_Number=1373866, Mouser Price/Stock=https://www.mouser.co.uk/ProductDetail/Phoenix-Contact/1373866?qs=2SLPxufLcgAs0enIXKjUUw%3D%3D
J4: library part usbc_24p, "Universal Serial Bus (USB) Shielded I/O Receptacle, Type C, Vertical, Surface Mount, Height 8.8mm, 16 Circuits, Gold (Au) Flash Plating", Manufacturer_Name=Molex, Mouser Part Number=538-219320-0001, Datasheet Link=https://www.molex.com/content/dam/molex/molex-dot-com/products/automated/en-us/salesdrawingpdf/219/219320/2193200001_sd.pdf?inline, Geometry.Height=9.05mm, Manufacturer_Part_Number=219320-0001, Mouser Price/Stock=https://www.mouser.co.uk/ProductDetail/Molex/219320-0001?qs=rQFj71Wb1eXha8qVBIXu3A%3D%3D
J5: "USB Host Connector"
J6: library part microSD-PJS008-2003, "Memory Card Connectors MicroSD Card Conn Revrs Mnt Push-Push", Manuf_1=YAMAICHI, Manuf_Part_1=PJS008-2003-1, ECCN_US/EU=n/a, Notes="need to find on Ali!", Order=PJS008-2003-1
J7: library part KD050FWFID042-C010B, "LCD-20pin FPC, Top contacts position", Notes="FPC Board Connector, 0.5 mm, 20 Contacts, Receptacle, Top contacts position!", Order="FN 3215802"
J8: library part FPC8, "8 pin FPC, Top contacts position", Notes="FPC Board Connector, 0.5 mm, 8 Contacts, Receptacle,Top contact position", Order="FN 2614916"
L1 RFC4: library part TDK-NLV25T, "POWER INDUCTOR, 47UH, 1210", Notes="Power inductor", Price=0.166
LD1 LD2: library part LED2, "LED 3mm", Price=0.116, QT Order=QCD-00052, Revision="July-2002: Re-released for DXP Platform."
"LORA ANT": "Test point"
M0 M1 M53 M54 M55 M56 M57 M58 M60 R1 R2 R3 R4 R5 R6 R7 R8 R9 R10 R11 R12 R13 R14 R15 R16 R17 R18 R19 R20 R21 R22 R23 R24 R25 R26 R27 R28 R29 R30 R31 R32 R33 R34 R35 R36 R37 R38 R39 R40 R41 R42 R43 R44 R45 R46 R47 R48 R49 R50 R51 R52 R53 R54 R55 R56 R57 R58 R59: library part RES, "Resistor"
  M0 M1 M53 M54 M55 M56 M57 M58 M60: Order="FN 933-3681", Price=0.009, QT Order=QCR-00268
  R1 R2 R17 R18: Order="FN 933-2421", Price=0.013, QT Order=QCR-00279
  R3 R4 R5 R6: Price=0.013
  R7 R19 R20 R21 R30: Order="FN 146-9899", Price=0.023, QT Order=QCR-00309
  R8 R11 R12 R13 R14: Order="FN 188-7289", Price=0.046, QT Order=QCR-00333
  R9 R10: Order="FN 157-6459", Price=0.061, QT Order=QCR-00579
  R15 R16: Order="FN 207-8984", Price=0.02, QT Order=QCR-00412
  R22 R23 R24: Order="FN 146-9857", Price=0.046, QT Order=QCR-00349, QT Price=0.03
  R25 R26 R27 R28 R29 R32 R33 R34: Order="FN 146-9857", Price=0.046
  R31 R50 R51 R52 R59: Order="FN 933-2375", Price=0.027, QT Order=QCR-00301
  R35 R39: Price=0.024, QT Order=QCR-00341
  R36: Order=652-CR0805JW-162ELF, Price=0.024, QT Order=QCR-00341
  R40 R41: Notes="Tolerance better than 1%", Price=0.009
  R42: Order="FN 157-6459", Price=0.061, QT Order=QCR-00326
  R43 R44: Order="FN 200-8383", Price=0.03, QT Order=QCR-00341
  R45: Order="FN 188-7289", Price=0.075, QT Order=QCR-00333, QT Price=0.03
  R46: Notes="What is the biggest power rating to fit into 1206 ?", Order="FN 207-3875", Price=0.024, QT Order=QCR-00419, QT Price=0.03
  R47 R48 R49 R53 R54 R56 R58: Order="FN 200-8383", Price=0.024, QT Order=QCR-00341
  R55 R57: Price=0.024
M2 M3 M3a M3b M3d M3e M4 M5 M6 M7 M8 M9 M10 M11 M12 M13 M14 M15 M16 M17 M18 M19 M20 M21 M22 M23 M24 M25 M26 M27 M28 M29 M30 M32 M32a M33 M34 M35 M36 M37 M38 M39 M40 M41 M42 M43 M44 M45 M46 M47 M48 M49 M50 M51 M52 M59: library part Link, "Link", Published=8-Jun-2000, Publisher="Altium Limited", Revision="July-2002: Re-released for DXP Platform."
P0: library part MHDR1X2, "Header, 2-Pin", LatestRevisionDate=17-Jul-2002, LatestRevisionNote="Re-released for DXP Platform.", Publisher="Altium Limited"
P1: "Header, 3-Pin", LatestRevisionDate=17-Jul-2002, LatestRevisionNote="Re-released for DXP Platform.", Publisher="Altium Limited"
Q1 Q2: library part MOSFET-N, "N-Channel MOSFET", Price=0.231, QT Order=QCT-00022, QT Price=0.28
  Q1: Order="FN 186-4517"
RFC1 RFC2 RFC3 RFC7: library part Inductor, "Inductor"
  RFC1 RFC2 RFC7: Order="FN 166-9895", Price=0.16
  RFC3: Published=8-Jun-2000, Publisher="Altium Limited", Revision="July-2002: Re-released for DXP Platform."
RFC5 RFC6: library part Inductor, "Power Inductor", Price=0, QT Order=QCL-00097, QT Price=0.085
  RFC5: Notes="Don't we already have selection for 0.8.0(bigger than 0805) ?"
S0 S1 S2 S3 S4 S5 S6 S7 S8 S9 S10 S11 S12 S13 S14 S15 S16 S17 S18 S19 S20 S21 S23: library part SW-PB, "Push Button"
S22 S24: library part SW-PBS, "Push Side Button"
SW1: library part SW3, "Three pole switch", Order="FN 118-1070", Price=2.19
TS1: "Thumbwheel Toggle Switch", Order="FN 206-4978"
U1: "Audio CODEC"
U2: library part LM4853, "Mono 1.5 W / Stereo 300mW Power Amplifier", Notes="300mW 1ch Mono, 2ch Stereo Audio Amp"
U3: "KCX_BT_EMITTER V 1.7"
U4 U9: library part AP22811, "High-side switch", Order="FN 274-8550"
U5: "STM32H747BIT6 LQFP208", Order="FN 248-4976", Price=10.97
U6: "V REG ADJ +5/20V, SMPS TO-263-5", Notes="In bulk from Ali", Price=1.28
U7: "Charge Pump", Notes="Originally from Thomas, if not Ali", Order=Hotmcu.com, Price=0.5, QT Order=QCI-01775, QT Price=0.27
U8: "128Mb PC133 SDR SDRAM, 4Mb x 32, 6ns, 3.3V, 0 to 70 degC, 86-Pin TSOP", Order="FN 225-3746", Price=8.55
U10: "RFM96 - 433Mhz Lora transceiver", Notes="Ali has them cheap, 2-3 USD each"
U11: "I2C-Programmable Any-Frequency CMOS Clock Generator + VCXO, 2.5 / 3.3 V, 0.008 to 160 MHz Output, -40 to 85 degC, 10-pin SOP", MANUFACTURER="Silicon Labs", Output Frequency (MHz)="0.008 to 160", Supplier Part Number 1=336-1994-5-ND, Code_IPC=J-STD-020, Code_JEDEC=MO-187, ComponentLink1Description="Manufacturer URL", ComponentLink1URL=http://www.silabs.com/, ComponentLink2Description=Datasheet, ComponentLink2URL=http://www.silabs.com/Support%20Documents/TechnicalDocs/Si5351.pdf, ComponentLink3Description="Package Specification", ComponentLink3URL="http://www.silabs.com/Support Documents/TechnicalDocs/C8051T60x.pdf", DatasheetVersion="Rev. 0.95", Mounting Technology="Surface Mount", Notes="Farnell had it cheap (like 80 pence)", Output Format=LVCMOS, PackageDescription="10-Pin Mini Small Outline Package, Body 3 x 3 mm, Pitch 0.5 mm", PackageReference=MSOP-10, PartNumber=Si5351A-A-GT, Reference Inputs=1, Sub-Family="Clock Generators", Supplier 1=Digi-Key, Supplier 2=Mouser, Supplier Part Number 2=634-SI5351A-A-GT, VDD="2.5 V; 3.3 V"
U12: library part 74LCX74M, "Low Voltage Dual D-Type Positive Edge-Triggered  Flip-Flop with 5V Tolerant Inputs", Notes="Can use PO74G74A, but remove M52, install M53", Order="FN 985-3502", Price=0.23, QT Order=QCI-00713
U13: library part FOX924B-16.000, "TCXO", Order="FN 206-3959", Price=2.77
U14: "3.3V voltage reference, SOT-23"
Y1: library part SmdCrystal, "32kHz Crystal", Order="FN 283-2029", Price=0.34

## Free pads (board coordinates)
  round 98.43 hole 78.74: 1(1078.74,1211.61) 1(1612.2,6468.5) 1(2960.87,3521.65) 1(2960.88,6474.41) 1(4956.69,1219.49) 1(5874.41,3521.65) 1(5874.41,6474.41) 1(7594.42,1223.81) 1(8797.24,6468.5)

## Via types
v1: diameter 24, hole 12, Top Layer to Bottom Layer, 621 vias
v2: diameter 30, hole 15, Top Layer to Bottom Layer, 206 vias